# Altium PCB DB46.PcbDoc (part 2 of 6)
Units mm, origin at the board's own origin, x right, y up, seen from the top; angles counter-clockwise.
Board outline 82.2 x 113.2 mm, 8 copper layers (Top Layer, MidLayer1, MidLayer2, GND, MidLayer3, VCC, MidLayer4, Bottom Layer), stack 1.576 mm thick; 186 components, 477 nets, 1727 pads, 1538 vias.
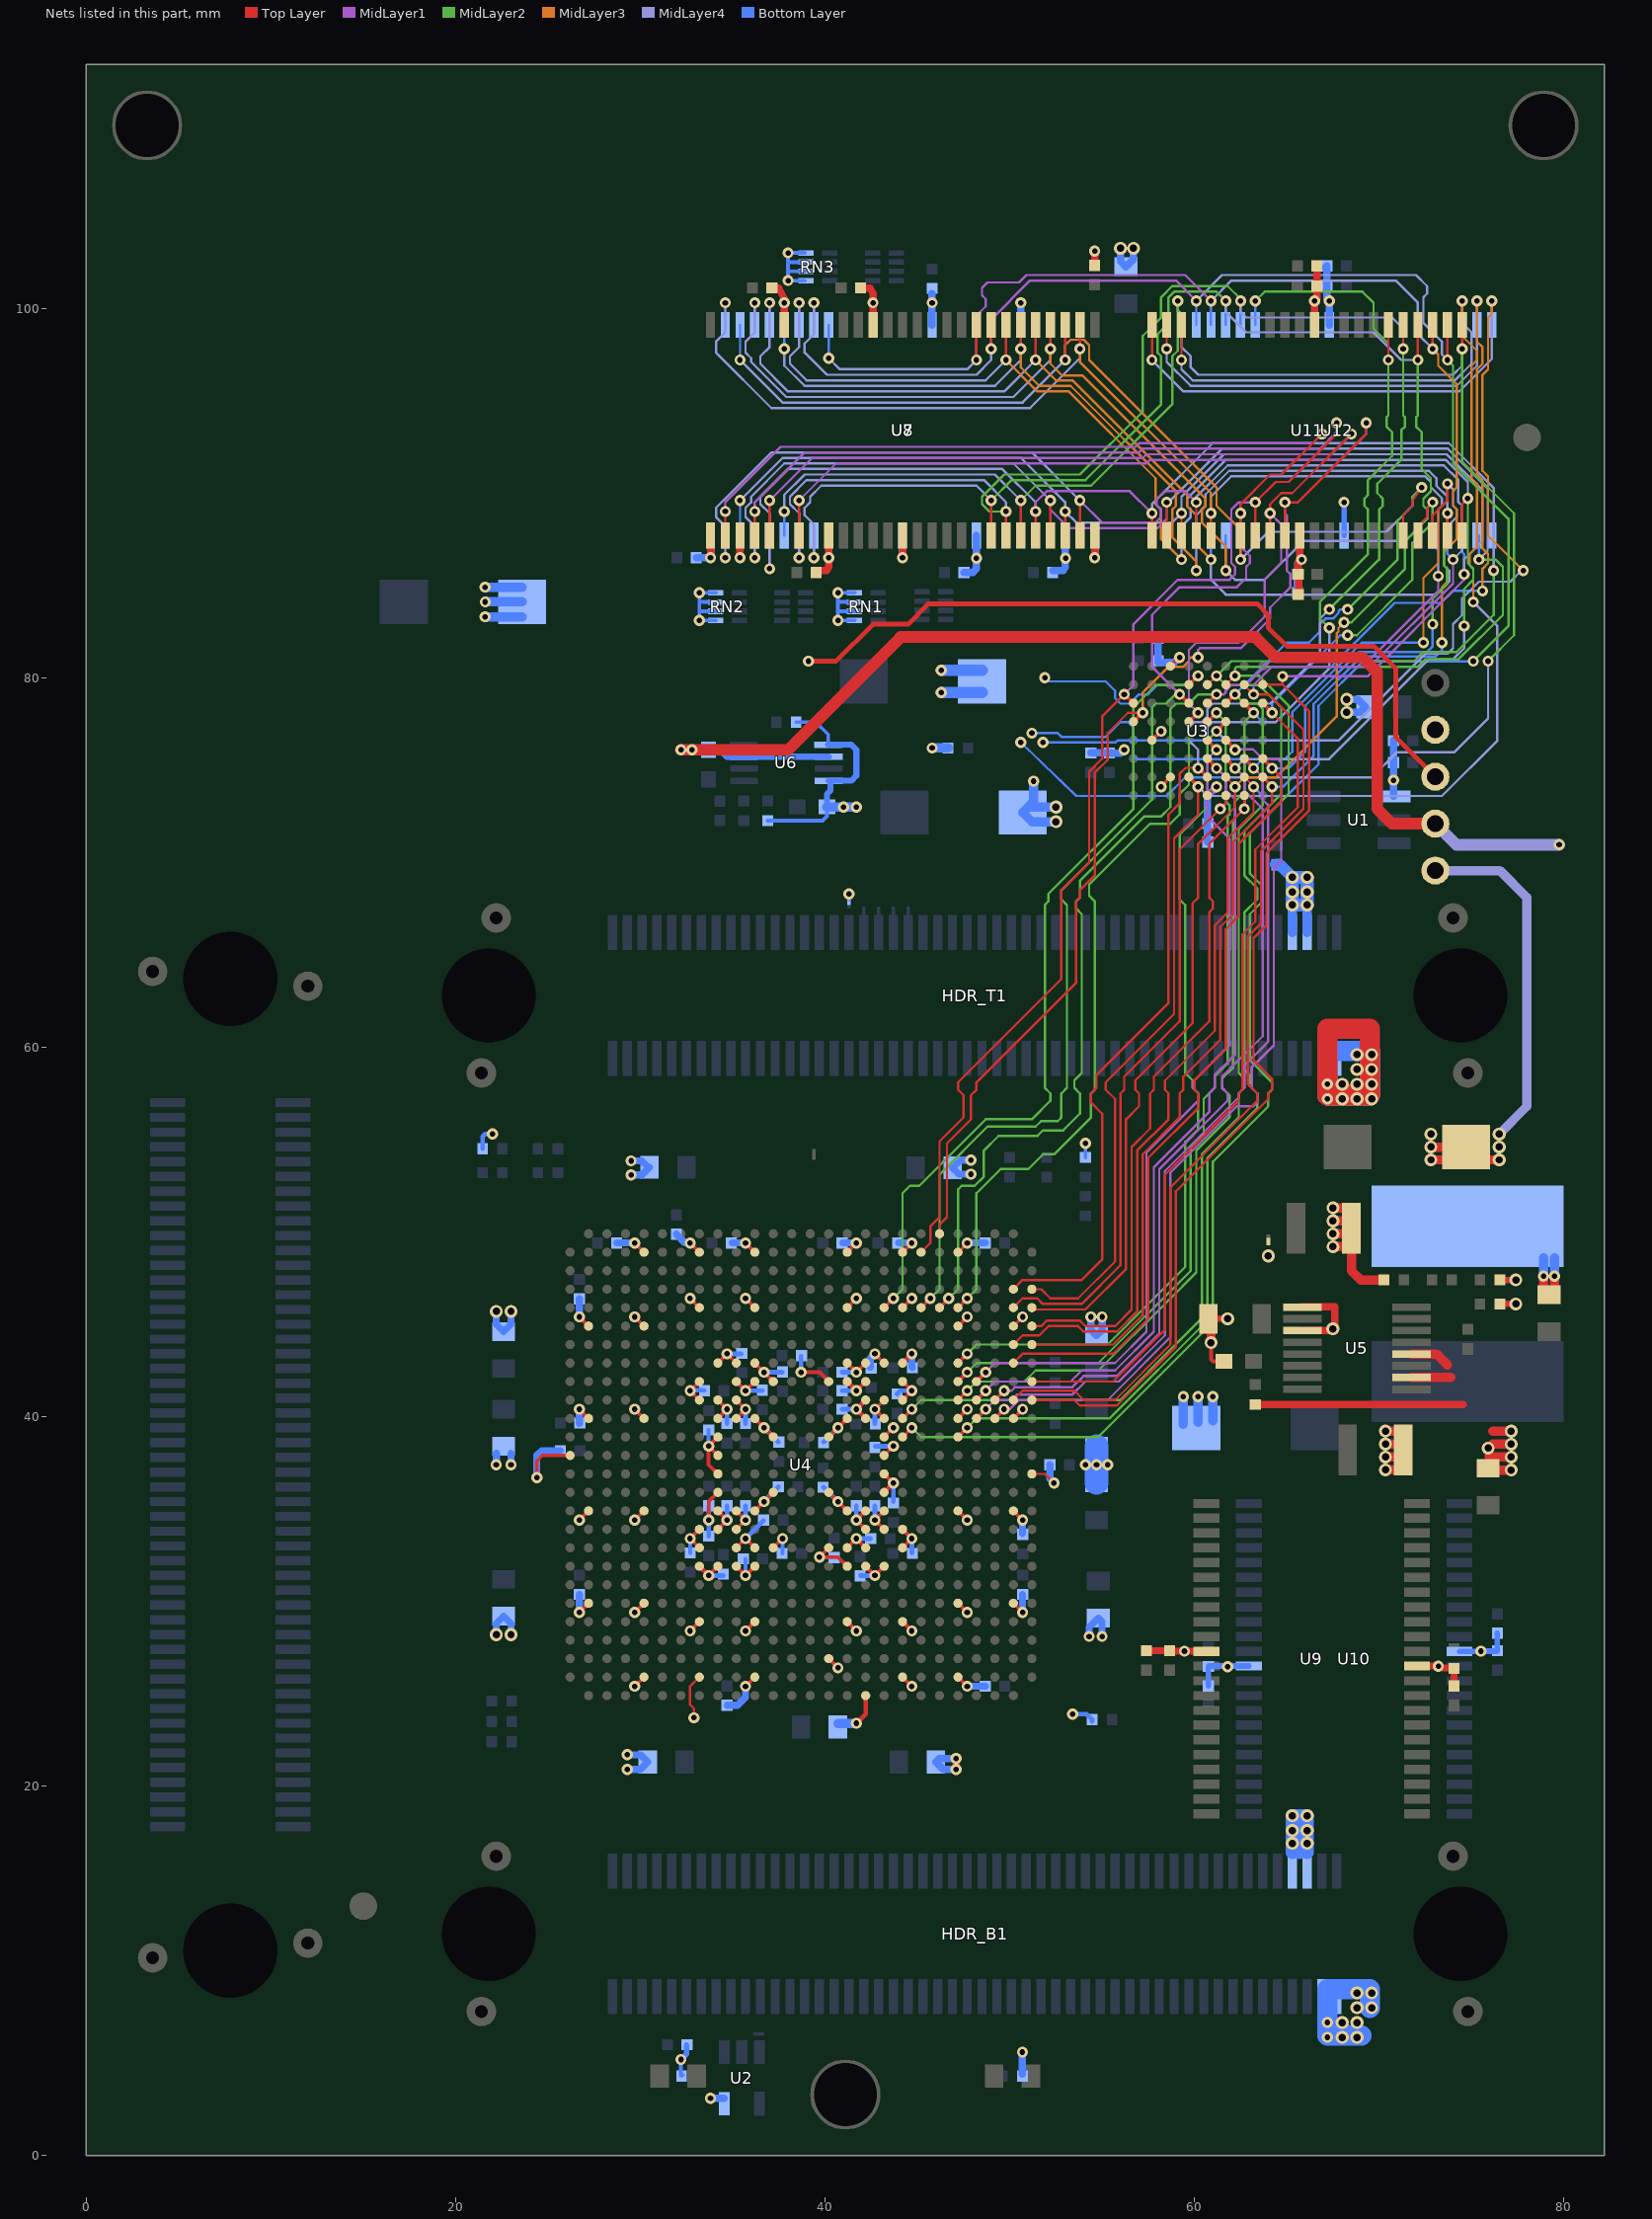
[diagram p8: the nets of this part, all layers, seen from the top]

## Part data
"Altium Logo Bot1" "Altium Logo Top1": library part D-000-0003, "Altium Logo for PCB"
C1 C7 C8 C9 C10 C11 C12 C13 C14 C25 C26 C27 C40 C41 C42 C43 C44 C71 C72 C73 C77 C91 C92 C93 C94 C99 C100 C103 C104 C107 C108 C109 C110: library part D-101-0080, "Capacitor, Ceramic, 0.1uF 10% 16V 0402 (1005) X7R"
C2 C15 C16 C17 C18 C19 C20 C21 C22 C28 C29 C30 C31 C45 C46 C47 C48 C49 C50 C51 C52 C53 C54 C55 C56 C57 C58 C59 C60 C61 C62 C63 C64 C65 C66 C67 C68 C74 C75 C76 C95 C96 C97 C98 C101 C102 C105 C106 C111 C112 C113 C114: library part D-101-0077, "Capacitor, Ceramic, 10nF 10% 16V 0402 (1005) X7R"
C3 C23 C69 C70 C82: library part D-101-0088, "Capacitor, Tantalum, 220uF 10% 10V MCCT-D (7343-31)"
C4 C5 C6 C24 C32 C33 C34 C35 C36 C37 C38 C39 C78 C79 C83 C85: library part D-101-0087, "Capacitor, Ceramic, 10uF 10% 10V 0805 (2012) X5R"
C80: library part D-101-0069, "Capacitor, Ceramic, 470pF 5% 50V 0402 (1005) COG"
C81 C88 C89: library part D-101-0095, "Capacitor, Ceramic, 2.2uF 10% 10V 0603 (1608) X5R"
C84 C86: library part D-101-0021, "Capacitor, Ceramic, 22uF -20%/+80% 10V 1210 (3225) Y5V"
C87: library part D-101-0027, "Capacitor, Ceramic, 1uF 10% 25V 1206 (3216) X7R"
C90: library part D-101-0105, "Capacitor, Ceramic, 0.033uF 10% 10V 0402 (1005) X7R"
FD1 FD2: library part D-000-0005, "Fiducial - Round 1.5mm Top-Bottom"
HDR_B1 HDR_L1 HDR_T1: library part D-300-0025, "Connector, Molex Docking Station 100 Pin Male 54075"
L1: library part D-102-0004, "Inductor, 2.2uH, 15A, 4R2, SMD"
LED1: library part D-153-0004, "LED, Green 0805 (2012) KP-2012SGD"
LED2: library part D-153-0003, "LED, Red 0805 (2013) HSMH-C170"
MH1 MH2 MH3: library part D-001-0001, "Mounting Hole, M3 Screw, Plated, Square Pad"
NT1 NT2 NT3 NT4 NT5 NT6 NT7 NT8: library part D-002-0002, "Net-Tie, Surface Mount, 2 x 0.4mm x 0.2mm SMT Pads - For 0.2mm Track"
PCB1: library part D-810-0034, "DB46 Blank PCB - Daughter Board"
R1 R2: library part D-100-0111, "Resistor, 270R 1% 0402 (1005)"
R3 R5 R8 R11: library part D-100-0088, "Resistor, 4K7 1% 0402 (1005)"
R4 R6 R7 R9 R10 R12 R13 R14 R15 R16 R17: library part D-100-0131, "Resistor, 100R 1% 0402 (1005)"
R22 R27 R28 R29: library part D-100-0132, "Resistor, 100K 1% 0402 (1005)"
R23: library part D-100-0128, "Resistor, 10R 1% 0402 (1005)"
R24 R26: library part D-100-0105, "Resistor, 2K7 1% 0402 (1005)"
R25: library part D-100-0109, "Resistor, 27K 1% 0402 (1005)"
RN1 RN2 RN3 RN4 RN5 RN6: library part D-104-0001, "Resistor Network, Isolated, 4 x 100R, 5%, SMD 0402 x 4"
TP1 TP2 TP3 TP4 TP5: library part D-006-0000, "Test Point, PCB Mount with Silkscreen Box"
U1: library part D-263-0002, "Dual Addressable Switch Plus 1KB Memory"
U2: library part D-205-0001, "SN74LVC1G04DBV, Single Inverter Gate, 1.65-V to 5.5-V"
U3: library part D-262-0001, "S29GL256N11FFIV10, 256 Megabit (16M x 16) 3.0V Page Mode Flash Memory"
U4: library part D-241-0021, "FPGA, Xilinx Virtex-4, XC4VSX35"
U5: library part D-204-0002, "MAX1831EEE, 3A, 1MHz, Low-Voltage, Step-Down Regulators with Synchronous Rectification and Internal Switches"
U6: library part D-204-0016, "MAX8860EUA18+, 1.8V Linear Regulator with adjustable Output, Low-noise, Low-dropout, 300mA, uMAX"
U7 U8: library part D-261-0000, "MT48LC16M16A2TG, 256 Mbit High-Speed CMOS SDRAM, 16Mb x 16Bit x 4 Banks, TSOP54"
U9 U10 U11 U12: library part D-260-0000, "K6R4016V1D-TC10T, 256K x 16-Bit SRAM, TSOP44"

## Via types
v1: diameter 0.6, hole 0.3, Top Layer to Bottom Layer, 904 vias
v2: diameter 0.6, hole 0.3, Top Layer to Bottom Layer, tented both sides, 506 vias
v3: diameter 0.7, hole 0.4, Top Layer to Bottom Layer, 127 vias
v4: diameter 0.6, hole 0.3, Top Layer to Bottom Layer, tented top, 1 vias

## Nets (pads, with @x,y where several pads share a name; then routed paths per layer and width w, separated by ;. In a path a pad name is that pad's centre, name@x,y a point inside that pad or via, vN(x,y) a via of type N, cw(c..) or ccw(c..) an arc to the next point about the centre after c; other vN are vias at no path point)
1V2: C3.1 C4.1 C5.1 C6.1 C7.1 C8.1 C9.1 C10.1 C11.1 C12.1 C13.1 C14.1 C15.1 C16.1 C17.1 C18.1 C19.1 C20.1 C21.1 C22.1 C82.1 C85.1 C86.1 L1.2 R24.1 TP5.1 U4.J10 U4.J11 U4.J16 U4.J17 U4.K9 U4.K10 U4.K17 U4.K18 U4.L9 U4.L10 U4.L11 U4.L16 U4.L17 U4.L18 U4.M12 U4.M15 U4.R12 U4.R15 U4.T9 U4.T10 U4.T11 U4.T16 U4.T17 U4.T18 U4.U9 U4.U10 U4.U17 U4.U18 U4.V10 U4.V11 U4.V16 U4.V17 | length 82.6
  Top Layer w0.2: U4.U9@34.2,33.9 v1(34.7,34.4) U4.T9@34.2,34.9 ; U4.L9@34.2,39.9 v1(34.7,40.4) U4.K9@34.2,40.9 ; U4.V10@35.2,32.9 v1(35.7,33.4) U4.V11@36.2,32.9 ; U4.U10@35.2,33.9 v1(35.7,34.4) U4.T10@35.2,34.9 ; U4.L10@35.2,39.9 v1(35.7,40.4) U4.K10@35.2,40.9 ; U4.J10@35.2,41.9 v1(35.7,41.4) U4.J11@36.2,41.9 ; U4.T11@36.2,34.9 v1(36.7,35.4) U4.R12@37.2,35.9 ; U4.L11@36.2,39.9 U4.M12@37.2,38.9 ; U4.R15@40.2,35.9 v1(40.7,35.4) U4.T16@41.2,34.9 ; U4.M15@40.2,38.9 U4.L16@41.2,39.9 ; U4.V16@41.2,32.9 v1(41.7,33.4) U4.V17@42.2,32.9 ; v1(41.7,41.4) U4.J17@42.2,41.9 ; U4.U17@42.2,33.9 v1(41.7,34.4) U4.T17@42.2,34.9 ; U4.U18@43.2,33.9 v1(42.7,34.4) U4.T18@43.2,34.9 ; U4.L18@43.2,39.9 v1(42.7,40.4) U4.K18@43.2,40.9
  Top Layer w0.254: U4.J16@41.2,41.9 v1(41.7,41.4) ; U4.L17@42.2,39.9 v1(41.7,40.4) U4.K17@42.2,40.9
  Top Layer w0.5: C86.1@68.4,50.2 C86.1@68.45,50.15 ; C86.1@68.5,49.5 68.5,50.2 68.5,47.9 69,47.4 R24.1@70.262,47.4 ; v3(72.8,53.9) C82.1@74,53.9 ; C82.1@74.709,53.9 v3(76.5,53.9) ; C82.1@74.709,54.6 C82.1@74.702,54.593 C82.1@75.395,53.9 ; C85.1@78.9,46.6 v1(78.9,47.6) ; C85.1@79.5,46.6 v1(79.5,47.6)
  Top Layer w0.508: v3(67.5,49.2) C86.1@68.5,49.2 ; v3(67.5,49.9) C86.1@68.5,49.9 ; v3(67.5,50.6) C86.1@68.5,50.6 ; v3(67.5,51.3) C86.1@68.5,51.3 ; v3@72.707,54.593 C82.1@74.702,54.593
  MidLayer4 w0.508: TP5.1@73.043,69.562 76.538,69.562 78,68.1 78,56.8 v3(76.5,55.3)
  Bottom Layer w0.2: v1(36.7,35.4) v1@36.7,35.425 ; v1@40.6,35.4 v1(40.7,35.4)
  Bottom Layer w0.254: v1(34.7,34.4) C19.1@34.7,35.175 ; C22.1@34.7,39.625 v1(34.7,40.4) ; v1(35.7,33.4) C11.1@36.675,34.375 ; v1(35.7,34.4) C20.1@35.7,35.175 ; C14.1@35.7,39.625 v1(35.7,40.4) ; v1(35.7,41.4) C18.1@36.6,41.4 ; v1@36.7,35.425 C9.1@37.475,36.2 ; v1(36.7,39.4) C13.1@37.475,38.625 ; C15.1@39.925,36.175 v1(40.7,35.4) ; C10.1@39.925,38.625 v1(40.7,39.4) ; C21.1@40.925,40.4 v1(41.7,40.4) ; C12.1@40.925,41.4 v1(41.7,41.4) ; v1(41.7,33.4) C7.1@42.475,33.4 ; v1(41.7,34.4) C8.1@41.7,35.175 ; v1(42.7,34.4) C16.1@42.7,35.175 ; C17.1@42.7,39.625 v1(42.7,40.4)
  Bottom Layer w0.4: v1(22.2,37.4) C4.1@22.2,38 ; v1(23,37.4) C4.1@23,38
  Bottom Layer w0.5: v1(78.9,47.6) L1.2@78.9,48.6 ; v1(79.5,47.6) L1.2@79.5,48.6
  Bottom Layer w0.508: C3.1@59.4,39.586 v1(59.4,41.086) ; C3.1@60.2,39.686 v1(60.2,41.086) ; C3.1@61,39.786 v1(61,41.086)
  Bottom Layer w1.27: C6.1@54.7,38.4 54.701,38.399 C5.1@54.701,36.4
  other v1: 54.1,37.4 54.701,37.4 55.3,37.4
  other v3: 72.8,54.6 76.5,54.6 72.8,55.3
2V5: C23.1 C24.1 C25.1 C26.1 C27.1 C28.1 C29.1 C30.1 C31.1 C88.1 R22.2 R28.1 TP3.1 U4.AF17 U4.H11 U4.H16 U4.H17 U4.J12 U4.M9 U4.N9 U4.N18 U4.P9 U4.P18 U4.R18 U4.V15 U4.W10 U4.W11 U4.W16 U6.1 U6.4 | length 81.1
  Top Layer w0.2: 33.7,37.4 U4.P9@34.2,36.9 ; v1(33.7,38.4) U4.N9@34.2,37.9 ; U4.H11@36.2,42.9 v1(36.7,42.4) U4.J12@37.2,41.9 ; U4.H16@41.2,42.9 v1(41.7,42.4) U4.H17@42.2,42.9 ; U4.N18@43.2,37.9 v1(43.7,38.4)
  Top Layer w0.203: 33.7,37.4 v1(33.7,38.4) U4.M9@34.2,38.9 ; U4.W10@35.2,31.9 v1(35.7,31.4) U4.W11@36.2,31.9 ; U4.V15@40.2,32.9 v1(39.7,32.4) 40.7,32.4 U4.W16@41.2,31.9 ; U4.P18@43.2,36.9 v1(43.7,36.4)
  Top Layer w0.254: v2(39.1,80.9) 40.6,80.9 42.6,82.9 44.5,82.9 45.6,84 63.4,84 64,83.4 64,82.7 65,81.7 69.7,81.7 70.9,80.5 70.9,77.331 70.9,76.785 TP3.1@73.043,74.642 ; v1(41.7,23.4) 42.2,23.9 U4.AF17@42.2,24.9 ; U4.R18@43.2,35.9 v1(43.7,36.4)
  Bottom Layer w0.2: v1(43.7,38.4) v1@43.7,38.6
  Bottom Layer w0.203: v1(33.7,38.4) C29.1@33.7,39.275 ; v1(35.7,31.4) C31.1@35.7,32.3 ; R22.2@36.9,72.262 39.862,72.262 40.1,72.5 C88.1@40.1,73 ; R28.1@38.438,77.6 39.5,77.6 40.175,76.925 U6.1@40.175,76.375 ; v1(39.7,32.4) C27.1@40.475,32.4
  Bottom Layer w0.254: v1(36.7,42.4) C28.1@37.675,42.4 ; C25.1@40.925,42.4 v1(41.7,42.4) ; C26.1@42.725,38.4 v1(43.7,38.4) ; C30.1@43.7,35.4 v1@43.7,36.175
  Bottom Layer w0.33: C88.1@40.1,73 40.1,73.7 40.3,73.9 U6.4@40.3,74.425 ; U6.1@40.175,76.375 41.425,76.375 41.7,76.1 41.7,74.7 41.425,74.425 U6.4@40.2,74.425
  Bottom Layer w0.508: C88.1@40.1,73 v2(41.7,73) ; C24.1@40.7,23.4 v1(41.7,23.4)
  Bottom Layer w0.635: v2(46.3,79.2) C23.1@48.5,79.2 ; v2(46.3,80.4) C23.1@48.5,80.4
  other v2: 41,73
3V3: C1.2 C2.1 C32.1 C33.1 C34.1 C35.1 C36.1 C37.1 C38.1 C39.1 C40.1 C41.1 C42.1 C43.1 C44.1 C45.1 C46.1 C47.1 C48.1 C49.1 C50.1 C51.1 C52.1 C53.1 C54.1 C55.1 C56.1 C57.1 C58.1 C59.1 C60.1 C61.1 C62.1 C63.1 C64.1 C65.1 C66.1 C67.1 C68.1 C69.1 C70.1 C71.2 C72.1 C73.1 C74.1 C75.1 C76.1 C77.1 C78.1 C79.1 C91.1 C92.1 C93.1 C94.1 C95.1 C96.1 C97.1 C98.1 C99.1 C100.1 C101.1 C102.1 C103.1 C104.1 C105.1 C106.1 C107.1 C108.1 C109.1 C110.1 C111.1 C112.1 C113.1 C114.1 HDR_B1.94 HDR_B1.96 HDR_T1.94 HDR_T1.96 NT1.2 R1.1 R2.1 R3.2 R5.2 R8.2 R11.2 RN1.1 RN1.2 RN1.3 RN1.4 RN2.1 RN2.2 RN2.3 RN2.4 RN3.1 RN3.2 RN3.3 RN3.4 TP2.1 U1.4 U2.5 U3.D8 U3.F1 U3.F7 U3.G5 U4.AA2 U4.AA5 U4.AA22 U4.AA25 U4.AB8 U4.AB11 U4.AB16 U4.AB19 U4.AD15 U4.AE5 U4.AE8 U4.AE11 U4.AE19 U4.AE22 U4.B5 U4.B8 U4.B11 U4.B16 U4.B19 U4.B22 U4.E8 U4.E11 U4.E16 U4.E19 U4.F2 U4.F5 U4.F22 U4.F25 U4.H9 U4.H10 U4.H18 U4.H19 U4.J8 U4.J15 U4.J19 U4.K8 U4.K19 U4.L2 U4.L5 U4.L22 U4.L25 U4.M18 U4.N1 U4.P26 U4.R9 U4.T2 U4.T5 U4.T22 U4.T25 U4.U8 U4.U19 U4.V8 U4.V12 U4.V19 U4.W8 U4.W9 U4.W17 U4.W18 U7.1 U7.3 U7.9 U7.14 U7.27 U7.43 U7.49 U8.1 U8.3 U8.9 U8.14 U8.27 U8.43 U8.49 U9.11 U9.33 U10.11 U10.33 U11.11 U11.33 U12.11 U12.33 | length 216.2
  Top Layer w0.127: v1(32.9,23.7) 32.9,24.2 32.7,24.4 32.7,25.4 U4.AE8@33.2,25.9 ; U7.9@40.2,87.2 U7.9@40.2,87.7 ; U4.P26@51.2,36.9 51.9,36.9 v1(52.4,36.4)
  Top Layer w0.178: v1(29.7,49.4) U4.B5@30.2,48.9 ; U4.B22@47.2,48.9 v1(47.7,49.4) ; U4.AA25@50.2,29.9 v1(50.7,29.4) ; U4.F25@50.2,44.9 v1(50.7,45.4)
  Top Layer w0.2: v1(24.4,36.7) 24.4,37.6 24.7,37.9 U4.N1@26.2,37.9 ; v1(26.7,29.4) U4.AA2@27.2,29.9 ; v1(26.7,34.4) U4.T2@27.2,34.9 ; v1(26.7,40.4) U4.L2@27.2,39.9 ; v1(26.7,45.4) U4.F2@27.2,44.9 ; v1(29.7,25.4) U4.AE5@30.2,25.9 ; v1(29.7,29.4) U4.AA5@30.2,29.9 ; v1(29.7,34.4) U4.T5@30.2,34.9 ; v1(29.7,40.4) U4.L5@30.2,39.9 ; v1(29.7,45.4) U4.F5@30.2,44.9 ; v1(32.7,28.4) U4.AB8@33.2,28.9 ; v1(32.7,46.4) U4.E8@33.2,45.9 ; v1(32.7,49.4) U4.B8@33.2,48.9 ; U4.V8@33.2,32.9 v1(32.7,33.4) U4.U8@33.2,33.9 ; U4.K8@33.2,40.9 v1(32.7,41.4) U4.J8@33.2,41.9 ; v1(33.7,34.4) 33.7,35.4 U4.R9@34.2,35.9 ; U4.H9@34.2,42.9 v1(34.7,43.4) U4.H10@35.2,42.9 ; v1(35.7,25.4) U4.AE11@36.2,25.9 ; v1(35.7,28.4) U4.AB11@36.2,28.9 ; v1(35.7,46.4) U4.E11@36.2,45.9 ; v1(35.7,49.4) U4.B11@36.2,48.9 ; U4.V12@37.2,32.9 v1(37.7,33.4) ; v1(38.7,42.4) 39.7,42.4 U4.J15@40.2,41.9 ; U4.AD15@40.2,26.9 v1(40.7,26.4) ; U4.AB16@41.2,28.9 v1(41.7,28.4) ; U4.E16@41.2,45.9 v1(41.7,46.4) ; U4.B16@41.2,48.9 v1(41.7,49.4) ; U4.W17@42.2,31.9 v1(42.7,31.4) U4.W18@43.2,31.9 ; v1(42.7,43.4) U4.H18@43.2,42.9 ; U4.M18@43.2,38.9 v1(43.7,39.4) ; U4.AE19@44.2,25.9 v1(44.7,25.4) ; U4.AB19@44.2,28.9 v1(44.7,28.4) ; U4.V19@44.2,32.9 v1(44.7,33.4) U4.U19@44.2,33.9 ; U4.K19@44.2,40.9 v1(44.7,41.4) U4.J19@44.2,41.9 ; U4.E19@44.2,45.9 v1(44.7,46.4) ; U4.B19@44.2,48.9 v1(44.7,49.4) ; U4.AE22@47.2,25.9 v1(47.7,25.4) ; U4.AA22@47.2,29.9 v1(47.7,29.4) ; U4.T22@47.2,34.9 v1(47.7,34.4) ; U4.L22@47.2,39.9 v1(47.7,40.4) ; U4.F22@47.2,44.9 v1(47.7,45.4) ; U4.T25@50.2,34.9 v1(50.7,34.4) ; U4.L25@50.2,39.9 v1(50.7,40.4) ; U3.G5@57.7,76.625 v1(58.2,77.1) ; v1@58.2,74.125 U3.F7@58.7,74.625 ; U3.F1@58.7,80.625 v1@59.2,81.125 ; U3.D8@60.7,73.625 v1@61.2,74.125
  Top Layer w0.203: v1(33.7,31.4) U4.W9@34.2,31.9
  Top Layer w0.254: U4.W8@33.2,31.9 v1(33.7,31.4) ; U4.H19@44.2,42.9 v1(44.7,43.4)
  Top Layer w0.381: v1(47.1,20.9) v1(47.1,21.5) ; C102.1@57.4,27.325 C100.1@58.652,27.325 58.672,27.305 59.512,27.305 59.517,27.3 U9.33@60.652,27.3 ; U9.11@72.052,26.5 73.3,26.5 73.4,26.4 74.027,26.4 C99.1@74.052,26.375 C101.1@74.052,25.425 ; v1@73.195,26.5 v1(73.203,26.492)
  Top Layer w0.4: v2@33.8,86.6 U7.1@33.8,87.7 ; v2(35.4,86.5) U7.3@35.4,87.7 ; C95.1@37.125,101.1 37.5,101.1 37.8,100.5 v2@37.8,100.2 ; U7.49@37.8,99.1 v2(37.8,100.3) ; C92.1@39.525,85.8 40.1,85.8 40.2,86 40.2,86.1 40.22,86.399 40.223,86.445 40.225,86.475 v2@40.219,86.504 ; U7.9@40.2,87.7 v2@40.2,86.6 ; C96.1@41.925,101.1 42.45,101.1 42.6,100.8 v2@42.6,100.2 ; U7.43@42.6,99.1 v2(42.6,100.3) ; v2(44.2,86.5) U7.14@44.2,87.7 ; v2(54.6,86.5) U7.27@54.6,87.7 ; C91.1@54.6,102.325 v2(54.6,103.1) ; C111.1@65.593,85.625 C111.1@65.618,85.6 65.618,86.218 v2(65.8,86.4) 65.7,86.5 U11.11@65.7,87.7 ; C107.1@65.643,84.575 65.643,85.6 C111.1@65.642,85.604 ; U11.33@66.5,99.1 v2(66.5,100.4) 66.625,100.525 C108.1@66.625,102.3 ; v2@40.2,86.6 v2@40.219,86.504 ; v2@40.2,86.6 v2@40.219,86.504
  MidLayer4 w0.127: v3@65.3,16.8 v3(65.3,16.9)
  Bottom Layer w0.2: v1@21.996,55.3 v1@21.996,55.321 ; v1(32.2,5.2) 32.2,4.338 R1.1@32.238,4.3 R1.1@32.3,4.362 ; C71.2@32.5,5.975 C71.2@32.525,6 ; C40.1@32.7,32.625 v1(32.7,33.4) ; 33.2,83.6 RN2.2@34.1,83.6 ; 33.2,84.1 RN2.3@34.1,84.1 ; RN2.1@34.1,83.1 v1(33.2,83.1) v1(33.2,84.6) RN2.4@34.1,84.6 ; U2.5@34.525,3.1 U2.5@34.55,3.125 ; C67.1@37.7,32.6 v1(37.7,33.4) ; 38,102 RN3.2@38.9,102 ; 38,102.5 RN3.3@38.9,102.5 ; RN3.1@38.9,101.5 v1(38,101.5) v1(38,103) RN3.4@38.9,103 ; 40.7,83.6 RN1.2@41.6,83.6 ; 40.7,84.1 RN1.3@41.6,84.1 ; NT1.2@41.3,68 v2(41.3,68.3) ; RN1.1@41.6,83.1 v1(40.7,83.1) v1(40.7,84.6) RN1.4@41.6,84.6 ; v1(47.1,21.5) v1@47.1,21.7 ; R5.2@54.1,54.038 v1(54.1,54.8) v1@54.1,54.9
  Bottom Layer w0.25: R3.2@21.462,54.5 21.462,55.162 21.6,55.3 v1@21.996,55.3 ; R11.2@54.462,23.5 R11.2@54.462,23.538
  Bottom Layer w0.254: v1@32.7,41.425 C53.1@33.45,41.425 ; v1(33.7,31.4) C56.1@34.5,31.4 ; C59.1@33.7,33.525 v1(33.7,34.4) C66.1@33.7,35.175 ; v1(34.7,43.4) C63.1@35.475,43.4 ; v1(38.7,42.4) C61.1@38.7,43.275 ; C58.1@41.925,31.4 v1(42.7,31.4) ; C52.1@43.9,41.225 44.075,41.4 v1(44.7,41.4) ; C65.1@44.7,32.625 v1(44.7,33.4) ; 52.176,36.624 v1(52.4,36.4) ; v1(53.4,23.9) 54.162,23.9 R11.2@54.462,23.6
  Bottom Layer w0.3: v1(32.2,5.2) 32.5,5.5 C71.2@32.5,5.975 ; C103.1@60.752,25.425 C105.1@60.752,26.475 60.777,26.5 U10.11@62.952,26.5 ; v1(61.798,26.467) v1@61.831,26.5 ; U12.11@68.1,87.7 v2(68.1,89.5) ; U10.33@74.352,27.3 75.509,27.3 v1(75.514,27.305) 76.38,27.305 C106.1@76.4,27.325 C104.1@76.4,28.275
  Bottom Layer w0.381: v3(22.2,28.2) 22.2,28.8 C35.1@22.6,29.2 23,28.8 v3(23,28.2) ; v3(22.2,45.7) 22.2,45 C33.1@22.6,44.6 23,45 v3(23,45.7) ; v1(24.4,36.7) 24.4,37.9 24.65,38.15 C55.1@25.674,38.15 ; v1(26.7,29.4) C57.1@26.699,30.375 ; v1(26.7,45.4) C44.1@26.699,46.375 ; C68.1@28.724,49.4 v1(29.7,49.4) ; v2(29.3,20.9) 30,20.9 C39.1@30.4,21.3 30,21.7 v2(29.3,21.7) ; v1(29.503,53.086) 30.086,53.086 C32.1@30.5,53.5 ; v1(29.503,53.848) 30.074,53.848 C32.1@30.404,53.518 ; C54.1@31.95,49.875 32.425,49.4 v1(32.7,49.4) ; C49.1@34.7,24.374 35.274,24.374 35.7,24.8 v1(35.7,25.4) ; C47.1@34.975,49.4 v1(35.7,49.4) ; C51.1@40.976,49.4 v1(41.7,49.4) ; C43.1@43.975,49.4 v1(44.7,49.4) ; v1(44.7,43.4) 44.7,42.675 C41.1@44.725,42.65 ; C38.1@46,21.3 46.4,20.9 v1(47.1,20.9) ; v1(47.7,49.4) C48.1@48.675,49.4 ; v1@47.701,25.399 C45.1@48.675,25.399 ; v1(47.9,53.127) 47.251,53.127 C34.1@46.903,53.474 47.317,53.889 v1(47.9,53.889) ; v1(50.7,29.4) C62.1@50.701,30.375 ; C64.1@50.701,33.675 v1(50.7,34.4) ; 52.176,36.624 C60.1@52.176,37.4 ; v1(54.3,28.1) 54.3,28.6 C37.1@54.8,29.1 55,28.9 v1(55,28.1)
  Bottom Layer w0.4: C42.1@26.7,39.65 v1(26.7,40.4) ; v1(32.7,41.4) v1@32.7,41.425 ; C93.1@33.025,86.5 v2(33.8,86.5) ; U8.27@33.775,87.325 U8.27@33.8,87.3 ; v1(33.8,3.1) U2.5@34.525,3.1 ; v2@33.8,86.475 U8.27@33.8,87.7 ; C50.1@42.45,42.675 42.45,43.15 v1(42.7,43.4) ; v2(44.2,86.5) U8.14@44.2,87.7 ; U8.43@45.8,99.1 C94.1@45.8,100.8 ; C38.1@46,21.3 46.2,21.5 v1(47.1,21.5) ; C98.1@47.525,85.7 48,85.7 48.2,85.9 v2(48.2,86.475) U8.9@48.2,87.7 ; U8.49@50.6,99.1 v2(50.6,100.3) ; R2.1@50.688,4.4 v1(50.688,5.6) ; C97.1@52.325,85.8 52.9,85.8 53,86 53,86.1 U8.3@53,87.7 ; v2@53,86.6 v2(53.025,86.475) ; v4(54.4,45.4) 54.4,44.7 C36.1@54.7,44.4 55,44.7 v1(55,45.4) ; C77.1@54.4,75.95 55.5,75.95 55.525,75.925 56,75.925 v1(56.2,76.1) ; v2(54.6,86.5) 54.6,86.6 U8.1@54.6,87.7 ; v3(56,103.25) 56,102.55 C79.1@56.3,102.25 56.7,102.65 v3(56.7,103.25) ; C73.1@58.025,81.925 58.025,80.825 58.9,80.825 v1@59.187,81.112 ; C72.1@60.725,71.1 60.7,71.125 60.7,73.6 v1@61.2,74.1 ; C109.1@65.575,84.6 C113.1@65.575,85.6 65.6,85.625 65.6,86.2 v2(65.8,86.4) ; C110.1@67.1,102.225 C110.1@67.175,102.3 67.175,100.525 v2(67.3,100.4) v2@67.3,100.5 ; U12.33@67.307,99.1 v2@67.307,100.2 ; v3(68.25,78.125) 68.95,78.125 C78.1@69.25,78.425 68.85,78.825 v3(68.25,78.825) ; U1.4@70.775,73.6 C1.2@70.775,76.6
  Bottom Layer w0.5: C70.1@50.995,73 v3(52.5,73) ; v1(51.3,74.4) 51.3,73.305 50.702,72.707 51.209,72.2 v3(52.5,72.2)
  Bottom Layer w0.508: v2(21.6,83.3) C69.1@23.6,83.3 ; v2(21.6,84.9) C69.1@23.6,84.9 ; v2(21.607,84.107) C69.1@23.602,84.107 ; v1(45.8,76.2) R8.2@46.662,76.2 ; HDR_T1.94@65.3,66.2 v3(65.3,68.4) ; HDR_T1.96@66.1,66.2 v3(66.1,68.4)
  Bottom Layer w0.635: C46.1@64.4,69.9 64.6,69.9 v3(65.3,69.2)
  Bottom Layer w0.7: 65.3,16.4 v3(65.3,18.4) v3(66.1,18.4) 66.1,16.4 ; 65.7,16.4 65.7,18.4 ; v3(65.3,67.7) v3(65.3,69.2) v3(66.1,69.2) v3(66.1,67.7) v3(65.3,67.7)
  other v1: 59.461,27.305 22,55.3 58.2,74.1 61.2,74.1 59.2,81.1
  other v2: 70.775,74.45 40.2,86.5 45.8,100.3
  other v3: 66.1,16.9 65.3,17.6 66.1,17.6
5V0: C83.1 C84.1 C89.1 HDR_B1.97 HDR_B1.99 HDR_T1.97 HDR_T1.99 R23.1 TP4.1 U5.2 U5.4 U6.2 U6.7 | length 121.6
  Top Layer w0.4: R23.1@63.262,40.7 R23.1@63.3,40.662 74.562,40.662 ; C83.1@75.9,37.2 v3(75.9,38.3)
  Top Layer w0.508: v3(70.35,38.519) C84.1@71.35,38.519 ; v3(70.35,39.219) C84.1@71.35,39.219 ; v3(70.35,37.119) C84.1@71.35,37.119 ; v3(70.35,37.819) C84.1@71.35,37.819 ; U5.2@71.744,42.132 73.868,42.132 ; U5.4@71.744,43.389 73.11,43.389 73.4,43.1 73.55,42.95 73.7,42.8 ; C83.1@76.15,37.112 v3(77.15,37.112) ; 76.15,37.812 v3(77.15,37.812) ; v3@76.15,38.512 v3(77.15,38.512) ; 76.15,39.212 v3(77.15,39.212)